# Altium PCB Carte_Alim_2019.PcbDoc (part 1 of 2)
Units mm, origin at the board's own origin, x right, y up, seen from the top; angles counter-clockwise.
Board outline 100 x 100 mm, 2 copper layers (Component Side, Solder Side), stack 1.57 mm thick; 235 components, 108 nets, 687 pads, 304 vias.
Unrouted connection lines stored in the file: 26.
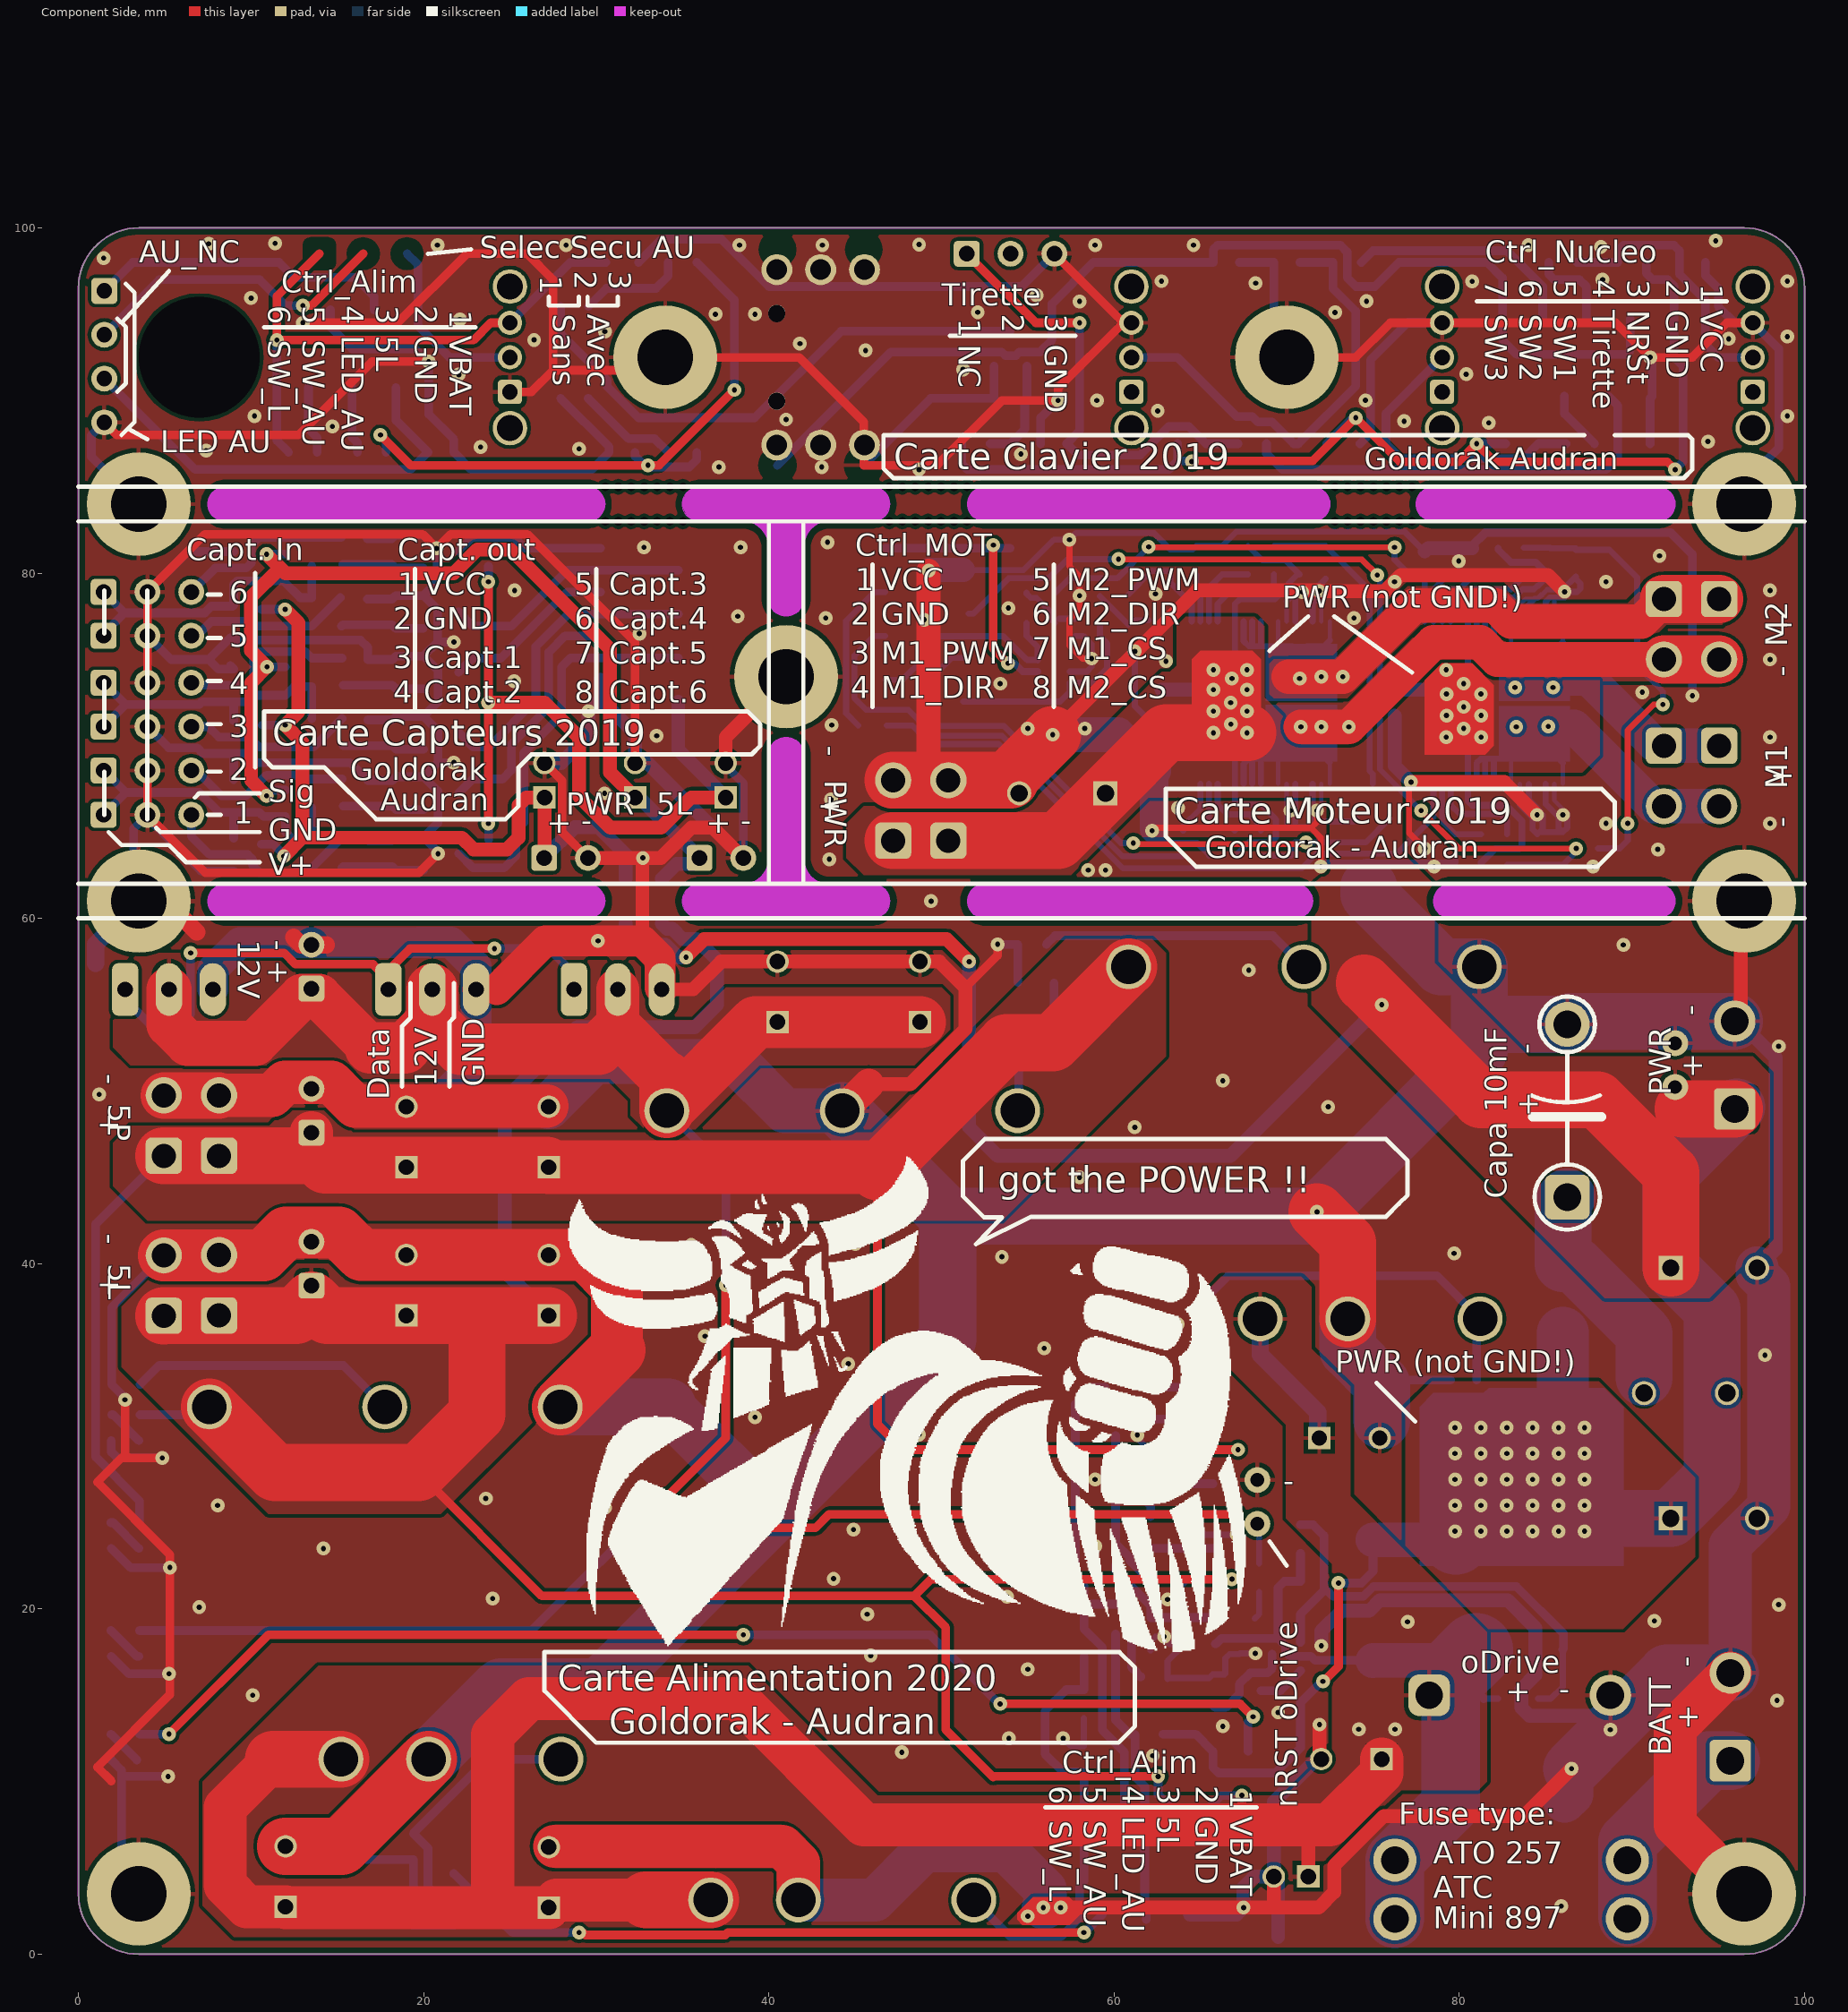
[diagram p0: Component Side view]
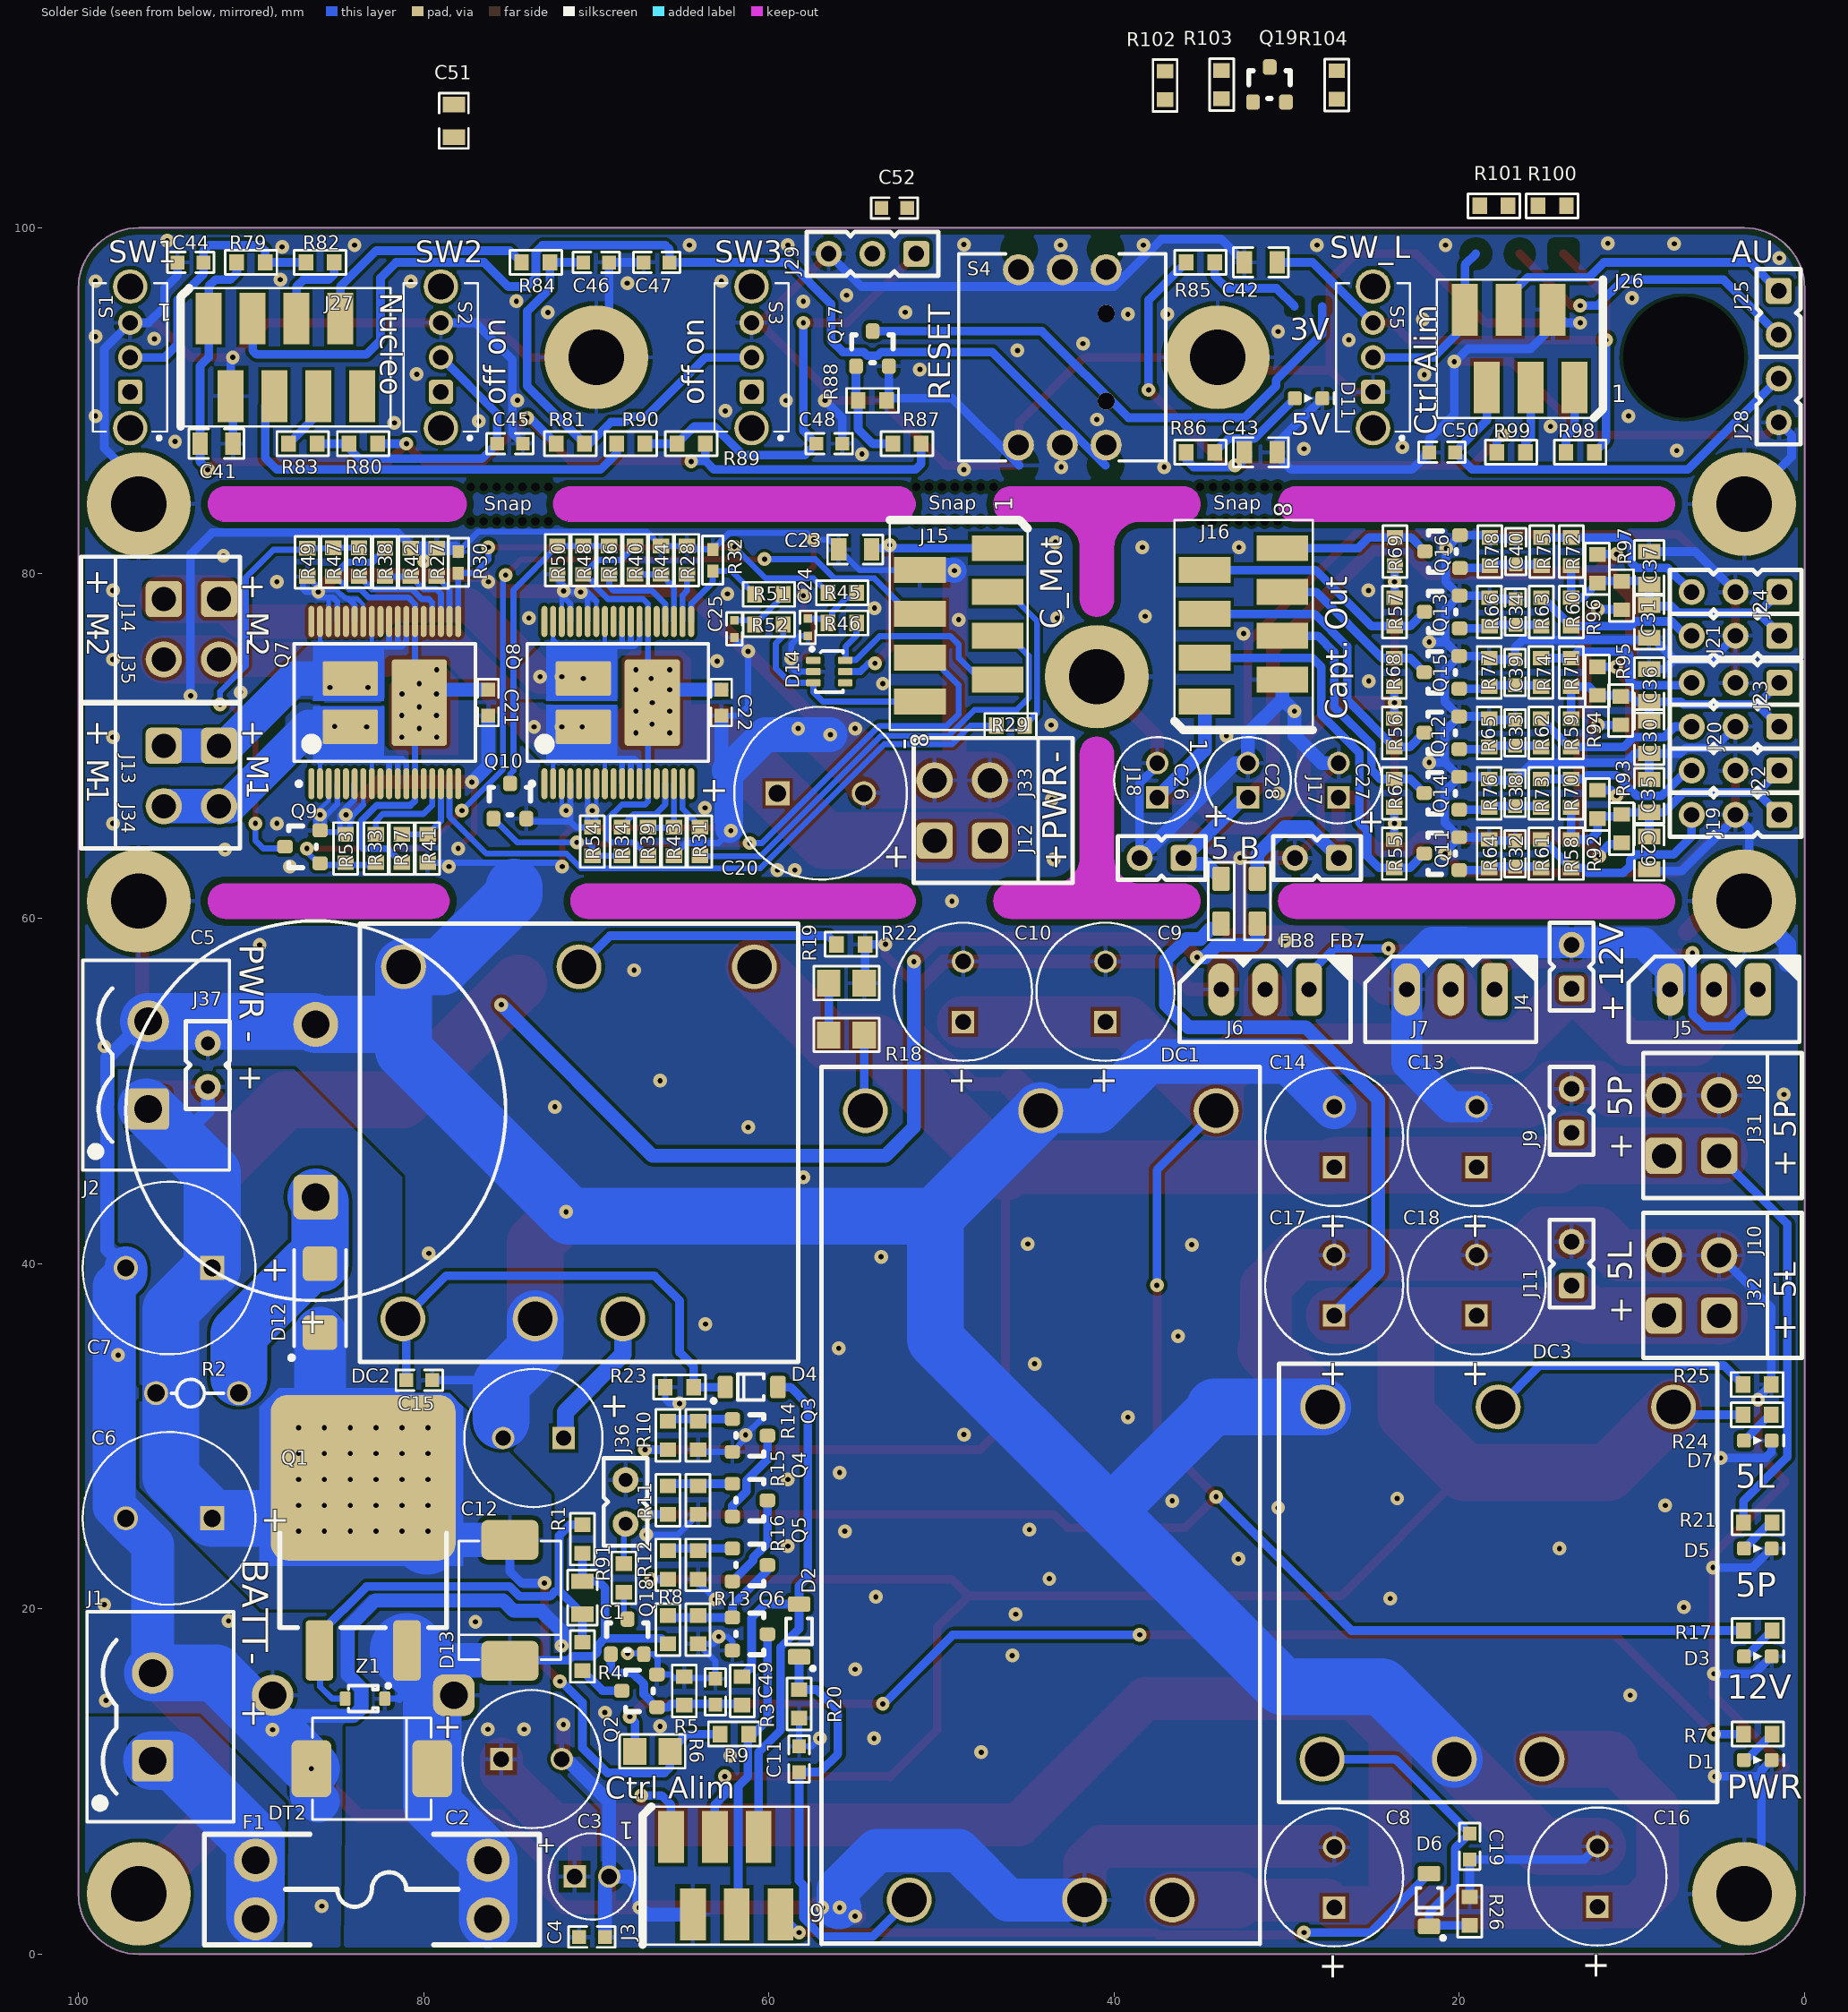
[diagram p1: Solder Side view, seen from below]
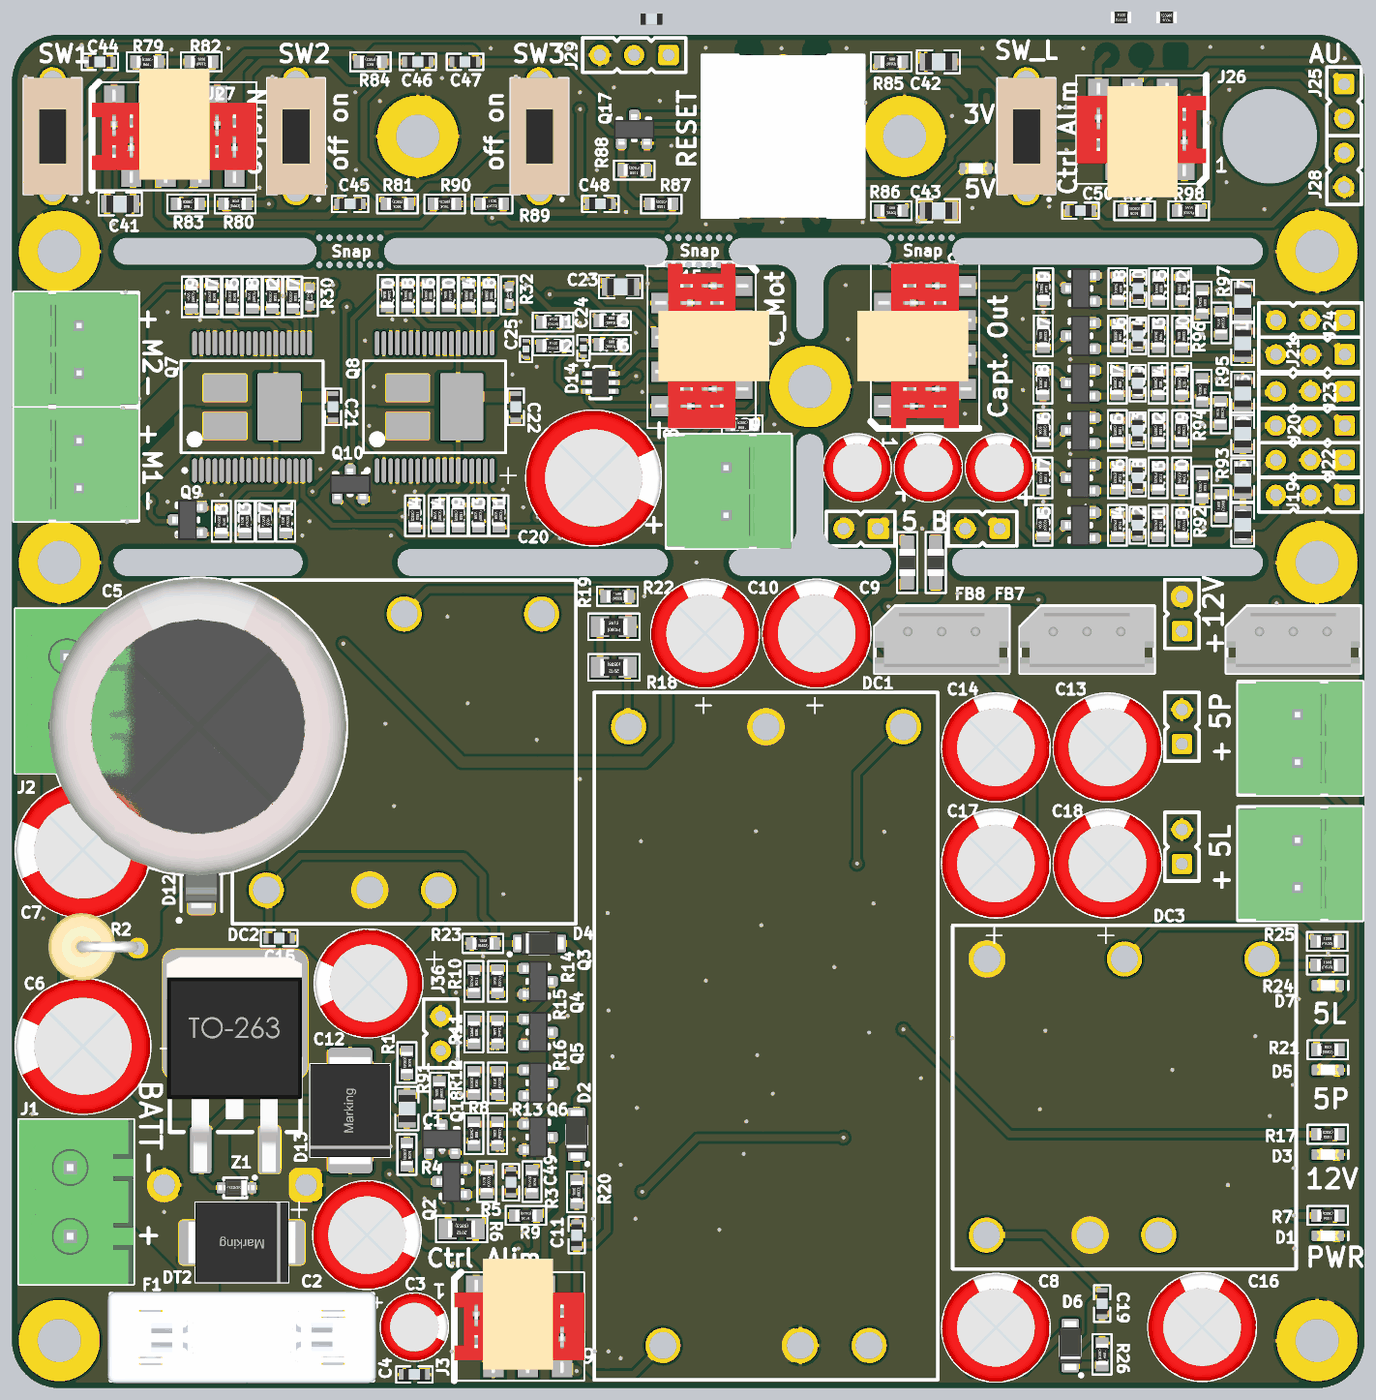
[diagram p3: 3D render of the assembled board from below, using the file's embedded part models]

## Layer stack, top to bottom
Top Solder: solder mask 0.01, Solder Resist, Dk 3.5
Component Side: signal copper 0.035
Dielectric 1: core 1.5, FR-4, Dk 4.8
Solder Side: signal copper 0.035
Bottom Solder: solder mask 0.01, Solder Resist, Dk 3.5

## Board outline
0,3.5 0,96.5 cw(c3.5,96.5) 3.5,100 96.5,100 cw(c96.5,96.5) 100,96.5 100,3.5 cw(c96.5,3.5) 96.5,0 3.5,0 cw(c3.5,3.5)
cut-out: 40,81.5 ccw(c38.5,81.5) 38.5,83 36,83 cw(c36,84) 36,85 46,85 cw(c46,84) 47,84 cw(c46,84) 46,83 43.5,83 ccw(c43.5,81.5) 42,81.5 42,78.5 cw(c41,78.5) 40,78.5
cut-out: 36,60 cw(c36,61) 36,62 38.5,62 ccw(c38.5,63.5) 40,63.5 40,69.5 cw(c41,69.5) 42,69.5 42,63.5 ccw(c43.5,63.5) 43.5,62 46,62 cw(c46,61) 47,61 cw(c46,61) 46,60
cut-out: 78.5,83 cw(c78.5,84) 78.5,85 91.5,85 cw(c91.5,84) 92.5,84 cw(c91.5,84) 91.5,83
cut-out: 79.5,60 cw(c79.5,61) 79.5,62 91.5,62 cw(c91.5,61) 92.5,61 cw(c91.5,61) 91.5,60
cut-out: 79.5,60 cw(c79.5,61) 79.5,62 91.5,62 cw(c91.5,61) 92.5,61 cw(c91.5,61) 91.5,60
cut-out: 52.5,83 cw(c52.5,84) 52.5,85 71.5,85 cw(c71.5,84) 72.5,84 cw(c71.5,84) 71.5,83
cut-out: 52.5,60 cw(c52.5,61) 52.5,62 70.5,62 cw(c70.5,61) 71.5,61 cw(c70.5,61) 70.5,60
cut-out: 8.5,60 cw(c8.5,61) 8.5,62 29.5,62 cw(c29.5,61) 30.5,61 cw(c29.5,61) 29.5,60
cut-out: 8.5,83 cw(c8.5,84) 8.5,85 29.5,85 cw(c29.5,84) 30.5,84 cw(c29.5,84) 29.5,83

## Design rules (kind name [scope] priority, off if disabled: settings)
AssemblyTestPointUsage [All] p1 off:
AssemblyTestpoint [All] p1 off: testpointundercomponent=TRUE minsize=1.016 maxsize=2.54 preferedsize=1.524 minholesize=0 maxholesize=1.016 preferedholesize=0.813 testpointgrid=0.025 usegrid=TRUE gridtolerance=0 allowsidetop=TRUE allowsidebottom=TRUE
BoardOutlineClearance [All] p1: gap=0.4 ignorepadtopadclearanceinfootprint=FALSE
Clearance Clearance_polygon [InPolygon] p1: gap=0.2 ignorepadtopadclearanceinfootprint=FALSE except(0: Arc-Hole Track-Hole SMDPad-Hole THPad-Hole Via-Hole Fill-Hole Poly-Hole Region-Hole Text-Hole)
Clearance Clearance_for_power_net [InNetClass('Power') vs InNet('GND')] p2: gap=0.2 ignorepadtopadclearanceinfootprint=TRUE except(0: Arc-Hole Track-Hole SMDPad-Hole THPad-Hole Via-Hole Fill-Hole Poly-Hole Region-Hole Text-Hole)
Clearance Clearance_general [All] p3: gap=0.127 ignorepadtopadclearanceinfootprint=FALSE except(0: Arc-Hole Track-Hole SMDPad-Hole THPad-Hole Via-Hole Fill-Hole Poly-Hole Region-Hole Text-Hole)
ComponentClearance [All] p1: gap=0 collisioncheckmode=3 verticalgap=0 showdistances=FALSE
DiffPairsRouting [All] p1 off: maxlimit=0.254 minlimit=0.127 mostfreqgap=0.254 toplayer_minwidth=0.381 toplayer_maxwidth=0.381 toplayer_prefwidth=0.381 bottomlayer_minwidth=0.381 bottomlayer_maxwidth=0.381 bottomlayer_prefwidth=0.381 maxuncoupledlength=12.7
FabricationTestPointUsage TestPointUsage [All] p1 off: valid=0 allowmultiple=FALSE
FabricationTestpoint Testpoint [All] p1 off: side=3 testpointundercomponent=TRUE minsize=1.016 maxsize=2.54 preferedsize=1.524 minholesize=0 maxholesize=1.016 preferedholesize=0.813 testpointgrid=0.025 allowsidetop=TRUE allowsidebottom=TRUE usegrid=TRUE gridtolerance=0
FanoutControl Fanout_BGA [IsBGA] p1 off: bgadir=Out bgaviamode=Centered fanoutstyle=Auto fanoutdirection=Alternating viagrid=0.025 // Fanout_BGA (Default Rule)
FanoutControl Fanout_LCC [IsLCC] p2 off: bgadir=Out bgaviamode=Centered fanoutstyle=Auto fanoutdirection=Alternating viagrid=0.025 // Fanout_LCC (Default Rule)
FanoutControl Fanout_SOIC [IsSOIC] p3 off: bgadir=Out bgaviamode=Centered fanoutstyle=Auto fanoutdirection=Alternating viagrid=0.025 // Fanout_SOIC (Default Rule)
FanoutControl Fanout_Small [(CompPinCount < 5)] p4 off: bgadir=Out bgaviamode=Centered fanoutstyle=Auto fanoutdirection=OutThenIn viagrid=0.025 // Fanout_Small (Default Rule)
FanoutControl Fanout_Default [All] p5 off: bgadir=Out bgaviamode=Centered fanoutstyle=Auto fanoutdirection=Alternating viagrid=0.025 // Fanout_Default (Default Rule)
Height [All] p1: minheight=0 maxheight=50 prefheight=10
HoleSize [All] p1: absolutevalues=TRUE maxlimit=6.3 minlimit=0.2 maxpercent=80.000 minpercent=20.000
HoleToHoleClearance [All] p1: gap=0.4 allowstackedmicrovias=TRUE
MinimumAnnularRing [All] p1: minimumring=0.076
MinimumSolderMaskSliver [All] p1: minsoldermaskwidth=0.15
MinimumSolderMaskSliver SilkscreenOverComponentPads [All] p2 off: minsoldermaskwidth=0.254
NetAntennae [All] p1 off: netantennaetolerance=0
PlaneClearance [All] p1: clearance=0.5
PlaneConnect [All] p1: planeconnectstyle=Relief reliefexpansion=0.4 reliefentries=4 reliefconductorwidth=0.3 reliefairgap=0.2
PolygonConnect [All] p1: thpad.connectstyle=Relief thpad.reliefconductorwidth=0.25 thpad.reliefentries=4 thpad.polygonreliefangle="90 Angle" thpad.airgapwidth=0.254 smdpad.connectstyle=Relief smdpad.reliefconductorwidth=0.25 smdpad.reliefentries=4 smdpad.polygonreliefangle="90 Angle" smdpad.airgapwidth=0.254 via.connectstyle=Direct via.reliefconductorwidth=0.25 via.reliefentries=4 via.polygonreliefangle="90 Angle" via.airgapwidth=0.254
PolygonConnect PolygonConnect_Via_GND [All vs (InNet('GND') AND  IsVia)] p2 off: thpad.connectstyle=Relief thpad.reliefconductorwidth=0.25 thpad.reliefentries=4 thpad.polygonreliefangle="90 Angle" thpad.airgapwidth=0.254 smdpad.connectstyle=Relief smdpad.reliefconductorwidth=0.25 smdpad.reliefentries=4 smdpad.polygonreliefangle="90 Angle" smdpad.airgapwidth=0.254 via.connectstyle=Direct via.reliefconductorwidth=0.25 via.reliefentries=4 via.polygonreliefangle="90 Angle" via.airgapwidth=0.254
PolygonConnect PolygonConnect_Via_Power [(InNetClass('Power')  AND  IsVia)] p3 off: connectstyle=Relief reliefconductorwidth=0.25 reliefentries=4 polygonreliefangle="90 Angle" airgapwidth=0.254
RoomDefinition TRACO [InComponentClass('TRACO')] p1 off: confinementstyle=ConfineIn formatcopy=TRUE lockcomponents=FALSE outline 100.5,0.25 114,0.25 114,60.25 100.5,60.25
RoomDefinition MOT [InComponentClass('MOT')] p2 off: confinementstyle=ConfineIn formatcopy=TRUE lockcomponents=FALSE outline 100.25,62 114.25,62 114.25,80.825 100.25,80.825
RoomDefinition CLAVIER [InComponentClass('CLAVIER')] p3 off: confinementstyle=ConfineIn formatcopy=TRUE lockcomponents=FALSE outline 0,100.5 99.5,100.5 99.5,108.5 0,108.5
RoomDefinition CAP [InComponentClass('CAP')] p4 off: confinementstyle=ConfineIn formatcopy=TRUE lockcomponents=FALSE outline -13,62.5 -1,62.5 -1,83 -13,83
RoutingCorners [All] p1: cornerstyle=45-Degree minsetback=1.5 maxsetback=2.54
RoutingVias [All] p1: holewidth=0.3 width=0.8 viastyle="Through Hole" minholewidth=0.3 minwidth=0.6 maxholewidth=0.3 maxwidth=1
SilkToSilkClearance [All] p1 off: silktosilkclearance=0.1
SolderMaskExpansion [All] p1: expansion=0.075
Width [All] p1: maxlimit=15 minlimit=0.127 preferedwidth=0.5
10 further rules are at their usual default settings.

## Classes and differential pairs
component class TRACO: C8 C9 C10 C11 C12 C13 C14 C15 C16 C17 C18 C19 D2 D3 D4 D5 D6 D7 DC1 DC2 DC3 J4 J5 J6 J7 J8 J9 J10 J11 J31 J32 R17 R18 R19 R20 R21 R22 R23 R24 R25 R26
component class MOT: C20 C21 C22 C23 C24 C25 D14 J12 J13 J14 J15 J33 J34 J35 Q7 Q8 Q9 Q10 R27 R28 R29 R30 R31 R32 R33 R34 R35 R36 R37 R38 R39 R40 R41 R42 R43 R44 R45 R46 R47 R48 R49 R50 R51 R52 R53 R54
component class CLAVIER: C41 C42 C43 C44 C45 C46 C47 C48 C50 C51 C52 D11 J25 J26 J27 J28 J29 Q17 Q19 R79 R80 R81 R82 R83 R84 R85 R86 R87 R88 R89 R90 R98 R99 R100 R101 R102 R103 R104 S1 S2 S3 S4 S5
component class CAP: C26 C27 C28 C29 C30 C31 C32 C33 C34 C35 C36 C37 C38 C39 C40 FB7 FB8 J16 J17 J18 J19 J20 J21 J22 J23 J24 Q11 Q12 Q13 Q14 Q15 Q16 R55 R56 R57 R58 R59 R60 R61 R62 R63 R64 R65 R66 R67 R68 R69 R70 R71 R72 R73 R74 R75 R76 R77 R78 R92 R93 R94 R95 R96 R97
component class Carte_Alim_2019_TOP: C1 C2 C3 C4 C5 C6 C7 C49 C? D1 D12 D13 D? DC? DT2 F1 F? FB? J1 J2 J3 J36 J37 J? Q1 Q2 Q3 Q4 Q5 Q6 Q18 Q? R1 R2 R3 R4 R5 R6 R7 R8 R9 R10 R11 R12 R13 R14 R15 R16 R91 R? Z1
net class Power: 5L 5L_CLAV 5P 12V ALIM_AU BATT_P MOT1_N MOT1_P MOT2_N MOT2_P PWR SW_AU SW_L VBATT VBATT_CLAV

## Components (designator, comment, footprint, x,y, rotation, side; value= is the part's Value field where it differs from the comment)
C1 "1uF" "WCAP-CSGP_0805, 2x1.25x1.25" 70.8,20.65 r90 bottom
C2 "220 uF" WCAP-ATG8_8x11.5x3.5x0.5 73.75,11.3 r0 bottom
C3 "10 uF" WCAP-ATG8_5x11x2x0.5 70.25,4.5 r0 bottom
C4 "100nF" "WCAP-CSGP_0603, 1.6x0.8x0.8" 70.25,1 r0 bottom
C5 "10 mF" WCAP-ATG8_22x41x10x0.8 86.25,48.86 r270 bottom
C6 "330 uF" WCAP-ATG8_10x12.5x5x0.6 94.75,25.25 r180 bottom
C7 "330 uF" WCAP-ATG8_10x12.5x5x0.6 94.75,39.75 r180 bottom
C8 "220 uF" WCAP-ATG8_8x11.5x3.5x0.5 27.25,4.45 r270 bottom
C9 "470 uF" WCAP-ATG8_8x11.5x3.5x0.5 40.5,55.75 r270 bottom
C10 "470 uF" WCAP-ATG8_8x11.5x3.5x0.5 48.75,55.75 r270 bottom
C11 "100nF" "WCAP-CSGP_0603, 1.6x0.8x0.8" 58.25,11.3 r270 bottom
C12 "220 uF" WCAP-ATG8_8x11.5x3.5x0.5 73.64,29.9 r180 bottom
C13 "470 uF" WCAP-ATG8_8x11.5x3.5x0.5 19,47.34 r270 bottom
C14 "470 uF" WCAP-ATG8_8x11.5x3.5x0.5 27.25,47.34 r270 bottom
C15 "100nF" "WCAP-CSGP_0603, 1.6x0.8x0.8" 80.25,33.25 r0 bottom
C16 "220 uF" WCAP-ATG8_8x11.5x3.5x0.5 12,4.5 r270 bottom
C17 "470 uF" WCAP-ATG8_8x11.5x3.5x0.5 27.25,38.75 r270 bottom
C18 "470 uF" WCAP-ATG8_8x11.5x3.5x0.5 19,38.75 r270 bottom
C19 "100nF" "WCAP-CSGP_0603, 1.6x0.8x0.8" 19.4,6.24 r90 bottom
C20 "330 uF" WCAP-ATG8_10x12.5x5x0.6 57,67.25 r0 bottom
C21 "100nF" "WCAP-CSGP_0603, 1.6x0.8x0.8" 76.265,72.5 r90 bottom
C22 "100nF" "WCAP-CSGP_0603, 1.6x0.8x0.8" 62.75,72.5 r90 bottom
C23 "1uF" "WCAP-CSGP_0805, 2x1.25x1.25" 55,81.368 r180 bottom
C24 "10nF" "WCAP-CSGP_0402, 1x0.5x0.5" 57.75,76.865 r90 bottom
C25 "10nF" "WCAP-CSGP_0402, 1x0.5x0.5" 62,76.77 r90 bottom
C26 "10 uF" WCAP-ATG8_5x11x2x0.5 37.5,68 r270 bottom
C27 "10 uF" WCAP-ATG8_5x11x2x0.5 27,68 r270 bottom
C28 "10 uF" WCAP-ATG8_5x11x2x0.5 32.25,68 r270 bottom
C29 "1uF" "WCAP-CSGP_0805, 2x1.25x1.25" 9,63.8 r90 bottom
C30 "1uF" "WCAP-CSGP_0805, 2x1.25x1.25" 9,70.5 r90 bottom
C31 "1uF" "WCAP-CSGP_0805, 2x1.25x1.25" 9,77.2 r90 bottom
C32 "100nF" "WCAP-CSGP_0603, 1.6x0.8x0.8" 16.77,63.75 r90 bottom
C33 "100nF" "WCAP-CSGP_0603, 1.6x0.8x0.8" 16.77,70.75 r90 bottom
C34 "100nF" "WCAP-CSGP_0603, 1.6x0.8x0.8" 16.75,77.75 r90 bottom
C35 "1uF" "WCAP-CSGP_0805, 2x1.25x1.25" 9,67.1 r270 bottom
C36 "1uF" "WCAP-CSGP_0805, 2x1.25x1.25" 9,73.5 r270 bottom
C37 "1uF" "WCAP-CSGP_0805, 2x1.25x1.25" 9,80.3 r270 bottom
C38 "100nF" "WCAP-CSGP_0603, 1.6x0.8x0.8" 16.77,67.25 r90 bottom
C39 "100nF" "WCAP-CSGP_0603, 1.6x0.8x0.8" 16.77,74.25 r90 bottom
C40 "100nF" "WCAP-CSGP_0603, 1.6x0.8x0.8" 16.73,81.25 r90 bottom
C41 "1uF" "WCAP-CSGP_0805, 2x1.25x1.25" 92,87.5 r0 bottom
C42 "1uF" "WCAP-CSGP_0805, 2x1.25x1.25" 31.5,98 r180 bottom
C43 "1uF" "WCAP-CSGP_0805, 2x1.25x1.25" 31.5,87 r180 bottom
C44 "100nF" "WCAP-CSGP_0603, 1.6x0.8x0.8" 93.5,98 r0 bottom
C45 "100nF" "WCAP-CSGP_0603, 1.6x0.8x0.8" 75,87.5 r180 bottom
C46 "100nF" "WCAP-CSGP_0603, 1.6x0.8x0.8" 70,98 r180 bottom
C47 "100nF" "WCAP-CSGP_0603, 1.6x0.8x0.8" 66.5,98 r0 bottom
C48 "100nF" "WCAP-CSGP_0603, 1.6x0.8x0.8" 56.5,87.5 r180 bottom
C49 "100nF" "WCAP-CSGP_0603, 1.6x0.8x0.8" 63.1,15.2 r270 bottom
C50 "100nF" "WCAP-CSGP_0603, 1.6x0.8x0.8" 21,87 r0 bottom
C51 "1uF" "WCAP-CSGP_0805, 2x1.25x1.25" 78.25,106.2 r270 bottom
C52 "100nF" "WCAP-CSGP_0603, 1.6x0.8x0.8" 52.725,101.15 r0 bottom
D1 "Vert" SMCW_0603 2.71,11.25 r0 bottom
D2 "RBR3MM40ATFTR" SOD-123FL 58.25,18.75 r270 bottom
D3 "Vert" SMCW_0603 2.71,17.25 r0 bottom
D4 "RBR3MM40ATFTR" SOD-123FL 61,32.85 r0 bottom
D5 "Vert" SMCW_0603 2.71,23.5 r0 bottom
D6 "RBR3MM40ATFTR" SOD-123FL 21.75,3.14 r270 bottom
D7 "Vert" SMCW_0603 2.71,29.75 r0 bottom
D11 "Vert" SMCW_0603 28.734,90.125 r0 bottom
D12 "HTA5U100" "SMA Diode (DO-214AC)" 86,38 r90 bottom
D13 "RS3J R6" DO-214AB_Unidirectional 75,20.5 r90 bottom
D14 "82400274" SC70-6L 56.5,74.3 r270 bottom value=5V
DC1 "TEN 60-2412WIN" "TEN 60" 44.25,26 r270 bottom
DC2 "THN30-2411WI-A1" "THN 30WI-A1" 71,47 r0 bottom
DC3 "Traco 5V 3A" "THN 15WI" 17.75,21.5 r0 bottom
DT2 "824540241" DO-214AB_Unidirectional 83,10.75 r0 bottom
F1 "3557-2" 3557-2 83,3.75 r180 bottom
FB7 "742792023" "WE-CBF_0805_High Current" 31.7,61 r90 bottom value=120O
FB8 "742792023" "WE-CBF_0805_High Current" 33.8,61 r90 bottom value=120O
J1 "691311500102" 691311500102 95.25,13.75 r90 bottom value=2
J2 "691311500102" 691311500102 95.5,51.5 r90 bottom value=2
J3 "690367280676" 690367280676 62.5,4.55 r0 bottom value=6
J4 "22-03-2021" 22-03-2021#1 13.5,57.2 r270 bottom
J5 "22-03-5035" 20-03-5035 5.25,55.25 r180 bottom
J6 "22-03-5035" 20-03-5035 31.25,55.25 r180 bottom
J7 "22-03-5035" 20-03-5035 20.5,55.25 r180 bottom
J8 "691322110002" 691322110002 4.75,48 r90 bottom value=2
J9 "22-03-2021" 22-03-2021#1 13.5,48.86 r270 bottom
J10 "691322110002" 691322110002 4.75,38.75 r90 bottom value=2
J11 "22-03-2021" 22-03-2021#1 13.5,40 r270 bottom
J12 "691322110002" 691322110002 47,66.25 r90 bottom value=2
J13 "691322110002" 691322110002 95.25,68.25 r270 bottom value=2
J14 "691322110002" 691322110002 95.25,76.75 r270 bottom value=2
J15 "690367280876" 690367280876 49,77 r90 bottom value=8
J16 "690367280876" 690367280876 32.5,77 r270 bottom value=8
J17 "22-03-2021" 22-03-2021#1 28.25,63.5 r180 bottom
J18 "22-03-2021" 22-03-2021#1 37.25,63.5 r180 bottom
J19 "22-03-2031" 22-03-2031 4,66 r180 bottom
J20 "22-03-2031" 22-03-2031 4,71.11 r180 bottom
J21 "22-03-2031" 22-03-2031 4,76.37 r180 bottom
J22 "22-03-2031" 22-03-2031 4,68.57 r180 bottom
J23 "22-03-2031" 22-03-2031 4,73.65 r180 bottom
J24 "22-03-2031" 22-03-2031 4,78.91 r180 bottom
J25 "22-03-2021" 22-03-2021#1 1.5,95.08 r90 bottom
J26 "690367280676" 690367280676 16.5,93 r180 bottom value=6
J27 "690367280876" 690367280876 88,92.5 r0 bottom value=8